# Altium PCB Driver.PcbDoc (continued)
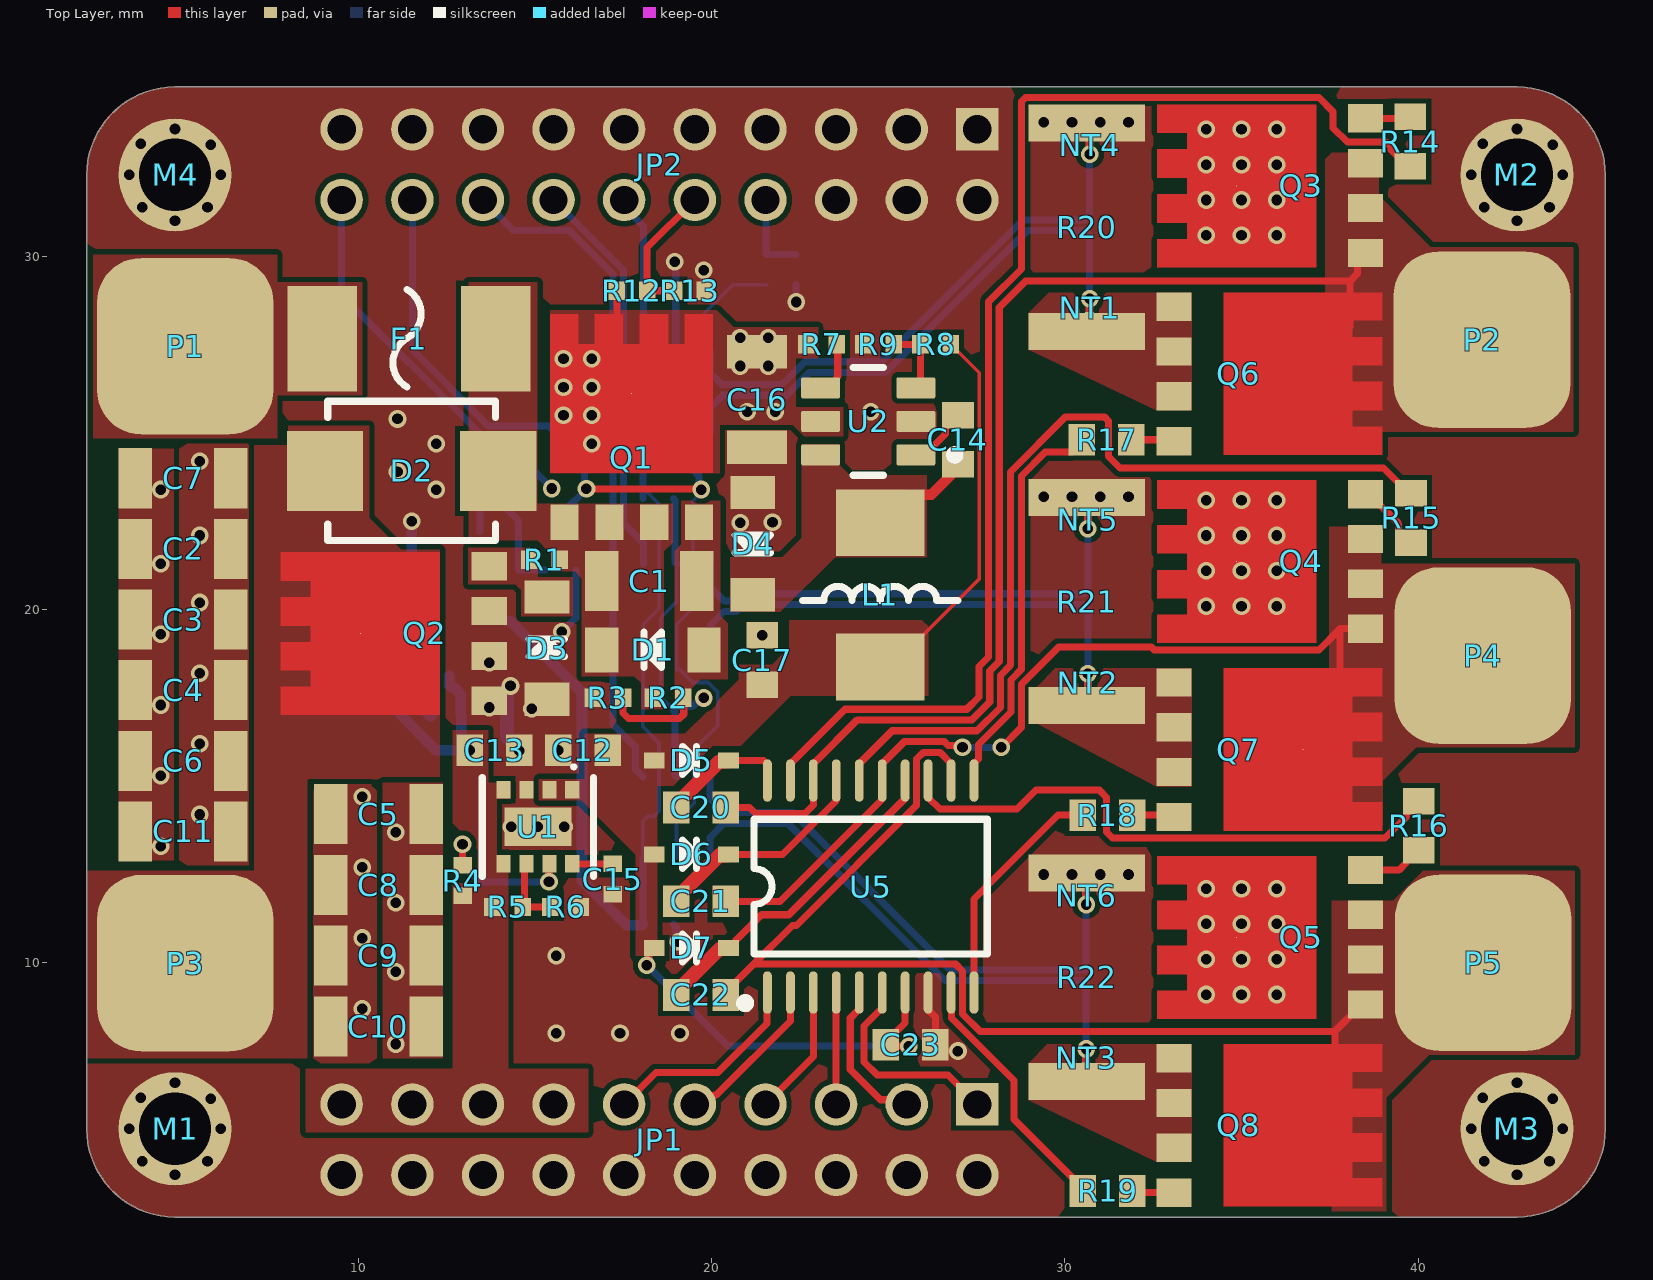
[diagram p0: Top Layer view]
## Components (designator, comment, footprint, x,y, rotation, side; value= is the part's Value field where it differs from the comment) (continued)
Q6 "CJAC110SN10A" PDFNWB5×6-8L 33.09,28.58 r270 top
Q7 "CJAC110SN10A" PDFNWB5×6-8L 33.09,17.94 r270 top
Q8 "CJAC110SN10A" PDFNWB5×6-8L 33.09,7.3 r270 top
R1 "100k" RESISTOR_0402_SMD 14.83,21.41 r0 top
R2 "150k" RESISTOR_0402_SMD 19.19,17.51 r180 top
R3 "300k" RESISTOR_0402_SMD 16.63,17.51 r0 top
R4 "100k" RESISTOR_0402_SMD 12.95,12.76 r270 top
R5 "523k" RESISTOR_0402_SMD 14.65,11.58 r180 top
R6 "100k" RESISTOR_0402_SMD 16.29,11.58 r180 top
R7 "100k" RESISTOR_0402_SMD 23.54,27.51 r180 top
R8 "120k" RESISTOR_0402_SMD 25.91,27.51 r0 top
R9 "10k" RESISTOR_0402_SMD 25.15,27.51 r180 top
R10 "10k" RESISTOR_0402_SMD 13.67,21.115 r0 bottom
R11 "10k" RESISTOR_0402_SMD 15.29,21.12 r0 bottom
R12 "150k" RESISTOR_0402_SMD 18.17,29.03 r180 top
R13 "10k" RESISTOR_0402_SMD 19.8,29.03 r180 top
R14 "4.7R" Resistor_0603_SMD 39.78,33.95 r270 top
R15 "4.7R" Resistor_0603_SMD 39.8,21.9 r90 top
R16 "4.7R" Resistor_0603_SMD 40.02,13.18 r90 top
R17 "4.7R" Resistor_0603_SMD 31.88,24.81 r180 top
R18 "4.7R" Resistor_0603_SMD 31.9,14.18 r180 top
R19 "4.7R" Resistor_0603_SMD 31.91,3.54 r180 top
R20 "5m" RESISTOR_2512_SMD 30.62,33.78 r270 top
R21 "5m" RESISTOR_2512_SMD 30.62,23.18 r270 top
R22 "5m" RESISTOR_2512_SMD 30.62,12.54 r270 top
R23 "10K" RESISTOR_0402_SMD 21.55,30.06 r270 bottom
R24 "10K" RESISTOR_0402_SMD 22.38,29.2 r90 bottom
U1 "TPS82130SILT" SIL0008D_V 15.075,13.85 r270 top
U2 "LV2862XLVDDCR" FP-DDC0006A-MFG 24.43,25.33 r180 top
U3 "SPX3819" SOT23-5L 11.613,19.533 r180 bottom
U4 "LM321MFX" DBV0005A_L 14.9,23.33 r270 bottom
U5 "FD6288T" TSSOP20_L 24.5,12.16 r90 top
U6 "INA181A1IDBVR" FP-DBV0006A-IPC_A 19.01,26.17 r270 bottom
U7 "INA181A1IDBVR" FP-DBV0006A-IPC_A 19.01,20.14 r270 bottom
U8 "INA181A1IDBVR" FP-DBV0006A-IPC_A 19,14.11 r270 bottom

## Footprints (in the part's own frame and the unit in brackets; to place one, negate y for a bottom-side part, rotate by r counter-clockwise, add the part's x,y. Pads: shape width x height; smd on the part's side, far side on the other; paste and mask are expansions set on the pad)
CAPACITOR_0402_SMD [mm]
  rect 0.47x0.52 smd: 1(0,0) 2(0.86,0)
  body extent -0.17,-0.26 1.02,0.26, height 0.51
CAPACITOR_0603_SMD [mm]
  rect 0.75x0.9 smd: 1(0,0) 2(1.4,0)
  body extent -0.23,-0.41 1.63,0.41, height 0.81
Capacitor_0603_SMD [mm]
  rect 0.75x0.9 smd: 1(0,0) 2(1.4,0)
  body extent -0.23,-0.41 1.63,0.41, height 0.81
CAPACITOR_1206_SMD [mm]
  rect 0.95x1.7 smd: 1(0,0) 2(2.7,0)
  body extent -0.4,-0.81 3.1,0.81, height 1.61
DBV0005A_L [mm] "SOT23, 5-Leads, Body 3.05x1.75mm, Pitch 0.95mm, IPC High Density"
  rrect18% 0.8x0.55 smd: 1(-1.275,0.95) 2(-1.275,0) 3(-1.275,-0.95) 4(1.275,-0.95) 5(1.275,0.95)
  silkscreen extent -1.4,-1.55 0.5,1.9, body extent -1.42,-1.46 1.42,1.46, height 1.08
FP-DBV0006A-IPC_A [mm]
  rect 1.805x0.61 smd paste+0 mask+0: 1(-1.15,0.95)
  rrect100% 1.805x0.61 smd paste+0 mask+0: 2(-1.15,0) 3(-1.15,-0.95) 4(1.15,-0.95) 5(1.15,0) 6(1.15,0.95)
  silkscreen extent -2.73,-1.7 1.4,1.7, body extent -1.4,-1.45 1.4,1.45, height 1.45
FP-DDC0006A-MFG [mm]
  rrect17% 1.1x0.6 smd paste+0 mask+0: 1(-1.35,0.95) 2(-1.35,0) 3(-1.35,-0.95) 4(1.35,-0.95) 5(1.35,0) 6(1.35,0.95)
  silkscreen extent -2.58,-1.53 0.42,1.53, body extent -2,-1.63 2,1.63, height 0.25
FP-SMBJ-CA-MFG [mm]
  rect 2.16x2.26 smd paste+0 mask+0: 1(-2.45,0) 2(2.45,0)
  silkscreen extent -2.37,-1.97 2.37,1.97, body extent -3.63,-2.07 3.63,2.07, height 0.25
"FU 1808" [mm]
  rect 1.96x3 smd: 1(0,0) 2(4.91,0)
  silkscreen extent 2,-1.37 2.8,1.4, body extent -0.6,-1.35 5.5,1.35, height 2.69
HDR2.0-LI-2X10P [mm]
  rect 1.2x1.2 hole 0.8: 1(0,0)
  round 1.2 hole 0.8: 2(0,2) 3(2,0) 4(2,2) 5(4,0) 6(4,2) 7(6,0) 8(6,2) 9(8,0) 10(8,2) 11(10,0) 12(10,2) 13(12,0) 14(12,2) 15(14,0) 16(14,2) 17(16,0) 18(16,2) 19(18,0) 20(18,2)
  body extent -1,-1 19,3, height 6
"M2 HOLE" [mm]
  round 3.2 hole 2.05: 1(0,0)
MOLDED_INDUCTOR_0530 [mm]
  rect 1.895x2.5 smd: 1(0,0) 2(4.09,0)
  silkscreen extent 1.8,-2.2 2.2,2.2, body extent -0.85,-2.6 4.95,2.6, height 2.8
"NET TIE 10MIL" [mil]
  rect 10x10 smd paste-99999 mask+4: 1(0,0) 2(20,0)
  Top Layer region: 4,-4.5 16,-4.5 16,4.5 4,4.5
PDFNWB5×6-8L [mm]
  round 0.025 smd: D(1.9,3.65)
  rect 0.8x1 smd: G(3.81,0) S(0,0) S(1.27,0) S(2.54,0)
  Top Layer region: -0.4,1.4 4.2,1.4 4.2,5.9 3.4,5.9 3.4,5.05 2.93,5.05 2.93,5.9 2.13,5.9 2.13,5.05 1.66,5.05 1.66,5.9 0.86,5.9 0.86,5.05 0.39,5.05 0.39,5.9 -0.4,5.9
  body extent -0.6,-0.35 4.4,5.65, height 1.02
RESISTOR_0402_SMD [mm]
  rect 0.47x0.52 smd: 1(0,0) 2(0.86,0)
  body extent -0.07,-0.26 0.93,0.26, height 0.36
Resistor_0603_SMD [mm]
  rect 0.75x0.9 smd: 1(0,0) 2(1.4,0)
  body extent -0.11,-0.41 1.49,0.41, height 0.46
RESISTOR_2512_SMD [mm]
  rect 1.05x3.3 smd: 1(0,0) 2(5.9,0)
  body extent -0.25,-1.61 6.15,1.61, height 0.61
SIL0008D_V [mm] "PSON, 8-Leads, Body 3.00x2.80mm, Pitch 0.65mm, Thermal Pad 1.90x1.1mm"
  rect 0.5x0.4 smd: 1(-1.05,0.975) 2(-1.05,0.325) 3(-1.05,-0.325) 4(-1.05,-0.975) 5(1.05,-0.975) 6(1.05,-0.325) 7(1.05,0.325) 8(1.05,0.975)
  rect 1.1x1.9 smd: 9(0,0)
  silkscreen extent -1.75,-1.57 1.4,1.58, body extent -1.4,-1.5 1.4,1.5, height 1.53
SOD-123FL [mm]
  rect 0.94x1.27 smd: 1(0,0) 2(2.896,0)
  silkscreen extent 1.21,-0.5 1.71,0.5, body extent -0.34,-0.82 3.24,0.82, height 0.94
SOD-323 [mm]
  rect 0.59x0.45 smd: 1(0,0) 2(2.1,0)
  silkscreen extent 0.8,-0.4 1.2,0.4, body extent -0.25,-0.67 2.35,0.67, height 1.1
SOLDERPAD [mm]
  rrect50% 5x5 smd paste-2539.97: 1(0,0)
SOT23-5L [mm] "3x1.6x1.1mm(长宽高)"
  rect 0.45x1 smd: 1(-0.95,-1.4) 2(0,-1.4) 3(0.95,-1.4) 4(0.95,1.4) 5(-0.95,1.4)
  silkscreen extent -1.6,-1.73 1.5,0.66, body extent -1.5,-1.4 1.5,1.4, height 1.15
TANTALUM_CAPACITOR_0805_SMD [mm]
  rect 1.3x1.5 smd: 1(0,0) 2(1.9,0)
  silkscreen extent -0.85,-0.7 -0.85,0.7, body extent -0.04,-0.65 1.96,0.65, height 1.2
TSSOP20_L [mm] "6.5*6.4*1（长宽高）"
  oval 1.2x0.25 smd: 1(-3,2.925) 2(-3,2.275) 3(-3,1.625) 4(-3,0.975) 5(-3,0.325) 6(-3,-0.325) 7(-3,-0.975) 8(-3,-1.625) 9(-3,-2.275) 10(-3,-2.925) 11(3,-2.925) 12(3,-2.275) 13(3,-1.625) 14(3,-0.975) 15(3,-0.325) 16(3,0.325) 17(3,0.975) 18(3,1.625) 19(3,2.275) 20(3,2.925)
  silkscreen extent -3.43,-3.3 1.91,3.69, body extent -3.2,-3.25 3.2,3.25, height 1.03

## Part data
C1 C2 C3 C4 C5 C6 C7 C8 C9 C10 C11 C12 C13 C14 C15 C16 C17 C18 C19 C20 C21 C22 C23 C24 C25 C26: library part C, "无极性贴片电容", BOM名称=无极性贴片电容, 学习资源=www.ooocke.com, 版权归属=源创客
D1 D3: library part 稳压二极管, "Zener Diode", 联系卖家，免费查找封装=唯一出售店铺网址https://shop463601444.taobao.com
D2: library part CMP-08607-000060-1, "TVS DIODE 60V DO214AA", Breakdown Voltage=53.3V, Clamping Voltage=77.4V, Manufacturer="Littelfuse Inc", Manufacturer Part Number=SMBJ48CA, Max Junction Temp=+150°C, Package=SMBJ-CA, Peak Pulse Current=7.8A, Peak Pulse Power=600W, Reverse Standoff Voltage=48V, Temperature="-65°C to +150°C", Temperature Range Low=-65°C, Automotive=No, Category=Diode, ComponentLink2Description=Datasheet, ComponentLink2URL=https://www.littelfuse.com/~/media/electronics/datasheets/tvs_diodes/littelfuse_tvs_diode_smbj_datasheet.pdf.pdf, Device Class L1="Circuit Protection", Device Class L2="TVS Diodes", Device Class L3=unset, Digikey Description="TVS DIODE 48V 77.4V DO214AA", Direction=Bidirectional, Height=2.61mm, Lead Free=Yes, Mouser Description="In a Pack of 25, Littelfuse SMBJ48CA, Bi-Directional TVS Diode, 600W, 2-Pin DO-214AA", Number Of Channels=1, Octopart=https://octopart.com/smbj48ca-littelfuse-350748, RoHS=TRUE, Temperature Range High=+150°C
D4 D5 D6 D7: library part SS14, "肖特基二极管", BOM名称=肖特基二极管, 属性=40V/1A, 联系卖家，免费查找封装=唯一出售店铺网址https://shop463601444.taobao.com
E1: library part C-CD, "贴片钽电容", BOM名称=贴片钽电容, 学习资源=www.ooocke.com, 版权归属=源创客
F1: library part FU, "贴片保险丝", BOM名称=贴片保险丝, 学习资源=www.ooocke.com, 版权归属=源创客
JP1 JP2: library part "Header 10X2", "10*2P接插件", BOM名称=10*2P接插件, 封装库来自淘宝卖家 ID：黄晶宝石=其他店铺购入均为盗版假冒封装库, 联系卖家，免费查找封装=唯一出售店铺网址https://shop463601444.taobao.com
L1: library part L-CD, "贴片功率电感", BOM名称=功率电感, 学习资源=www.ooocke.com, 版权归属=源创客
M1 M2 M3 M4: library part M2_hole
P1 P2 P3 P4 P5: "焊盘"
Q1: "-70A 7.6mΩ@-10V P-Channel Power MOSFET"
Q2 Q3 Q4 Q5 Q6 Q7 Q8: "110A 3.4mΩ@10V N-Channel Power MOSFET"
R1 R2 R3 R4 R5 R6 R7 R8 R9 R10 R11 R12 R13 R14 R15 R16 R17 R18 R19 R20 R21 R22 R23: library part R, "贴片电阻"
  R1 R2 R3 R4 R6 R7 R8 R9 R10 R11 R12 R13 R14 R15 R16 R17 R18 R19 R20 R21 R22: BOM名称=贴片电阻, 学习资源=www.ooocke.com, 版权归属=源创客
  R23: BOM名称=贴片电阻, 联系卖家，免费查找封装=唯一出售店铺网址https://shop463601444.taobao.com
R24: library part RT, "热敏电阻", BOM名称=压敏电阻, 联系卖家，免费查找封装=唯一出售店铺网址https://shop463601444.taobao.com
U1: library part CMP-2000-07569-1, "Step-Down Converter MicroSiP(TM) Module with Integrated Inductor, 3 A, 3 to 17 V, -40 to 125 degC, 8-Pin uSiP (SIL), Tape and Reel", Case/Package=SMD/SMT, Manufacturer="Texas Instruments", Max Input Voltage=17V, Max Operating Temperature=125degC, Max Output Current=3A, Max Output Voltage=5V, Min Input Voltage=3V, Min Operating Temperature=-40degC, Min Output Voltage=900mV, Package Description="8-Pin Single In-line Package, Body 3 x 2.8 mm, Pitch 0.65 mm", Package Reference=SIL0008D, Quiescent Current=20uA, Switching Frequency=2MHz, Datasheet URL=http://www.ti.com/lit/ds/symlink/tps82130.pdf, Datasheet Version="Rev. C, 01/2017", Height=0.06inch, Lead Free=LeadFree, Length=0.12inch, Manufacturer URL=http://www.ti.com/, Mount=SurfaceMount, Mounting Technology=SurfaceMount, Number of Outputs=1, Number of Pins=8, Output Current=3A, Output Voltage=5V, Packaging=CutTape, REACH SVHC=NoSVHC, RoHSCompliant=True, Voltage - Output 1=5V, Width=0.11inch
U2: library part CMP-04918-000583-1, "Switching Voltage Regulators 4.5-V to 60-V, 600-mA buck converter in ultra-small SOT23 package 6-SOT-23-THIN -40 to 125"
U3: "500mA Low-Noise LDO Voltage Regulator"
U4: library part CMP-0055-01337-3, "Low Power Single Op Amp, 5-pin SOT-23", Manufacturer="Texas Instruments", Package Reference=DBV0005A, PackageTopMarking=A63A*XTT, PowerWise=N, ComponentLink1Description="Datasheet URL", ComponentLink1URL=http://www.ti.com/general/docs/lit/getliterature.tsp?genericPartNumber=LM321&fileType=pdf, CompType=Amplifiers, PackageDescription="Molded SOT-23, .115 x .063 x .040 in Body, 5 Lead, .0375 in Pitch", PinCount=5, RoHS=N
U5: "三相250V栅极驱动器"
U6 U7 U8: library part CMP-04895-000055-1, "IC CURR SENSE 1 CIRCUIT SOT23-6", Ambient Temperature Range High=+125°C, Ambient Temperature Range Low=-40°C, Input Bias Current=75uA, Input Offset Voltage=0.1mV, Manufacturer="Texas Instruments", Max Junction Temp=+150°C, Max Supply Voltage=5.5V, Min Supply Voltage=2.7V, Nominal Supply Current=195uA, Output Current Per Channel=8mA, Package=DBV0006A, Temperature="-40°C to +125°C", Voltage Gain=0.02V/mV, Automotive=No, Bandwidth=350kHz, Category=IC, ComponentLink2Description=Datasheet, ComponentLink2URL=http://www.ti.com/lit/ds/symlink/ina181.pdf, Device Class L1="Integrated Circuits (ICs)", Device Class L2="Linear ICs", Device Class L3=Instrumentation, Digikey Description="IC CURR SENSE 1 CIRCUIT SOT23-6", Height=1.45mm, Lead Free=Yes, Manufacturer Part Number=INA181A1IDBVR, Mouser Description="26V bi-directional current sense amplifier for cost-sensitive systems 6-SOT-23 -40 to 125", Number Of Channels=1, Octopart=https://octopart.com/ina181a1idbvr-texas+instruments-81856289, RoHS=TRUE, Standoff Height=0mm, Temperature Range High=+125°C, Temperature Range Low=-40°C

## Via types
v1: diameter 0.5, hole 0.3, Top Layer to Bottom Layer, tented both sides, 126 vias
v2: diameter 0.3, hole 0.3, Top Layer to Bottom Layer, 32 vias

## Nets (pads, with @x,y where several pads share a name; then routed paths per layer and width w, separated by ;. In a path a pad name is that pad's centre, name@x,y a point inside that pad or via, vN(x,y) a via of type N, cw(c..) or ccw(c..) an arc to the next point about the centre after c; other vN are vias at no path point)
5V: C13.2 C18.2 JP1.13 JP1.15 JP1.17 JP1.19 R4.2 R5.2 U1.4 U1.5 U3.1 U3.3 | length 6.1
  Bottom Layer w0.3: U3.3 10.663,17.858 11.188,17.333 11.188,17.023 12.191,16.02 v1(13.15,16.02) 13.15,16.074 12.904,16.32 12.904,17.016 C18.2 12.89,17.607 12.714,17.783 12.638,17.783 12.563,17.858 U3.1
10V: C12.1 C17.1 C23.2 D5.1 D6.1 D7.1 L1.2 R8.2 U1.1 U1.2 U5.7 | length 22.2
  Top Layer w0.1: L1.2 25.072,18.37 25.97,19.268 27.57,20.868 27.57,26.71 26.98,27.3 26.955,27.3 26.77,27.485 R8.2
  Top Layer w0.2: v1(18.16,9.93) 18.217,9.987 18.217,10.295 18.342,10.42 D7.1 ; U5.7 25.47,9.155 25.47,8.295 24.93,7.755 C23.2 24.97,7.64 v1(25.58,7.64)
  Bottom Layer w0.2: v1(18.16,9.93) 20.45,7.64 v1(25.58,7.64)
ADC_IA: JP2.12 U6.1 | length 4.5
  Bottom Layer w0.2: JP2.12 17.52,31.407 18.06,30.867 U6.1
ADC_IB: JP2.14 U7.1 | length 11.4
  Bottom Layer w0.2: JP2.14 17.5,29.62 17.5,22.448 18.06,21.888 U7.1
ADC_IC: JP2.16 U8.1 | length 19.1
  Bottom Layer w0.2: JP2.16 14.387,30.733 15.963,30.733 17.2,29.496 17.2,16.75 17.845,16.105 17.845,15.465 U8.1
ADC_TEMP: JP2.8 R23.1 R24.2 | length 2.4
  Bottom Layer w0.2: JP2.8 21.535,31.585 21.535,30.075 R23.1 R24.2
ADC_VIN: JP2.10 R12.1 R13.2 | length 3.9
  Top Layer w0.2: R13.2 R12.1 18.17,30.25 JP2.10
GND: D2.1 P3.1 Q2.D
HOA: R14.2 U5.19 | length 36.1
  Top Layer w0.2: U5.19 22.225,15.635 23.77,17.18 27.22,17.18 27.57,17.53 27.57,18.385 27.84,18.655 27.84,28.72 28.77,29.65 28.77,34.388 28.887,34.505 37.189,34.505 37.595,34.099 37.595,33.643 37.997,33.241 39.093,33.241 39.234,33.1 39.234,33.021 39.705,32.55 R14.2
HOB: R15.2 U5.16 | length 25.4
  Top Layer w0.2: U5.16 24.175,15.635 25.11,16.57 27.51,16.57 28.17,17.23 28.17,18.136 28.46,18.426 28.46,23.902 30.018,25.46 31.113,25.46 31.23,25.343 31.23,24.34 31.56,24.01 39.015,24.01 39.725,23.3 R15.2
HOC: R16.2 U5.13 | length 16.4
  Top Layer w0.2: U5.13 26.125,14.685 26.46,14.35 28.64,14.35 29.18,14.89 30.972,14.89 31.18,14.682 31.18,13.7 31.35,13.53 39.063,13.53 39.67,14.137 39.67,14.305 39.945,14.58 R16.2
IA_N: NT4.1 U6.3 | length 15.2
  Bottom Layer w0.2: U6.3 19.96,26.7 20.29,26.37 21.99,26.37 22.64,27.02 24.8,27.02 28.81,31.03 30.583,31.03 30.7,31.147 v1(30.7,32.892)
IA_P: NT1.1 U6.4 | length 15.4
  Bottom Layer w0.2: U6.4 19.96,25.728 20.3,26.068 20.3,26.07 22.12,26.07 22.77,26.72 24.924,26.72 28.934,30.73 30.583,30.73 30.7,30.613 v1(30.7,28.8)
IB_N: NT5.1 U7.3 | length 13.4
  Bottom Layer w0.2: U7.3 19.96,20.64 20.35,20.25 20.576,20.25 20.776,20.45 30.533,20.45 30.65,20.567 v1(30.65,22.292)
IB_P: NT2.1 U7.4 | length 13.4
  Bottom Layer w0.2: U7.4 19.96,19.56 20.35,19.95 20.7,19.95 20.9,20.15 30.533,20.15 30.65,20.033 v1(30.65,18.188)
IC_N: NT6.1 U8.3 | length 15.1
  Bottom Layer w0.2: U8.3 19.95,14.65 20.35,14.25 22.3,14.25 26.75,9.8 30.6,9.8 v1(30.6,11.65)
IC_P: NT3.1 U8.4 | length 15.2
  Bottom Layer w0.2: U8.4 19.95,13.55 20.35,13.95 22.15,13.95 26.6,9.5 30.6,9.5 v1(30.6,7.558)
LOA: R17.2 U5.11 | length 11.4
  Top Layer w0.2: U5.11 27.425,15.649 27.55,15.774 27.55,16.176 28.47,17.096 28.47,18.012 28.77,18.312 28.77,23.788 29.442,24.46 30.205,24.46 30.48,24.735 R17.2
LOB: R18.2 U5.10 | length 6.7
  Top Layer w0.2: U5.10 27.425,11.803 29.802,14.18 R18.2
LOC: R19.2 U5.9 | length 7.2
  Top Layer w0.2: U5.9 26.785,9.15 26.785,8.442 28.556,6.67 28.556,5.569 30.51,3.615 R19.2
NetC1_1: C1.1 D1.1 Q1.G R2.1 R3.2 | length 2.7
  Top Layer w0.2: R3.2 17.49,17.07 17.64,16.92 19.088,16.92 19.205,17.037 19.205,17.495 R2.1
NetC1_2: C1.2 D1.2 D2.2 F1.2 Q1.S R1.2 R2.2
NetC14_1: C14.1 U2.1 | length 1.8
  Top Layer w0.2: U2.1 26.03,24.38 26.62,24.97 26.62,25.235 26.895,25.51 C14.1
NetC14_2: C14.2 D4.2 L1.1 U2.6 | length 3.1
  Top Layer w0.3: L1.1 25.568,23.258 26.213,23.258 27.065,24.11 C14.2@27.14,24.11
NetC15_2: C15.2 U1.8 | length 1.2
  Top Layer w0.2: U1.8 C15.2
NetC19_2: C19.2 U3.4 | length 1.3
  Bottom Layer w0.3: C19.2 10.588,21.19 10.663,21.115 U3.4
NetC20_2: C20.2 D5.2 U5.20 | length 3.7
  Top Layer w0.2: D5.2 21.466,15.73 21.575,15.621 U5.20
  Top Layer w0.4: C20.2 18.99,14.475 20.22,15.705 20.445,15.705 D5.2
NetC21_2: C21.2 D6.2 U5.17 | length 6.3
  Top Layer w0.2: D6.2 22,13.07 23.515,14.585 23.515,15.15 U5.17
  Top Layer w0.4: C21.2 18.99,11.815 20.22,13.045 20.445,13.045 D6.2
NetC22_2: C22.2 D7.2 U5.14 | length 9.4
  Top Layer w0.2: D7.2 20.54,10.42 20.665,10.545 20.665,10.615 21.41,11.36 22.18,11.36 25.45,14.63 25.45,14.646 25.475,14.671 U5.14
  Top Layer w0.4: C22.2 18.99,9.165 20.22,10.395 20.445,10.395 D7.2
NetD3_2: D3.2 Q2.G R1.1
NetNT1_2: NT1.2 Q6.S R20.2
NetNT2_2: NT2.2 Q7.S R21.2
NetNT3_2: NT3.2 Q8.S R22.2
NetQ3_G: Q3.G R14.1 | length 1.3
  Top Layer w0.2: Q3.G 39.741,33.911 R14.1
NetQ4_G: Q4.G R15.1 | length 2
  Top Layer w0.2: Q4.G 38.61,23.27 39.45,22.43 39.45,22.175 39.725,21.9 R15.1
NetQ5_G: Q5.G R16.1 | length 1.8
  Top Layer w0.2: Q5.G 39.465,12.63 39.67,12.835 39.67,12.905 39.945,13.18 R16.1@40.015,13.18
NetQ6_G: Q6.G R17.1 | length 1.2
  Top Layer w0.2: R17.1 33.05,24.81 Q6.G
NetQ7_G: Q7.G R18.1 | length 1.2
  Top Layer w0.2: R18.1 33.04,14.18 Q7.G
NetQ8_G: Q8.G R19.1 | length 1.2
  Top Layer w0.2: R19.1 31.96,3.49 Q8.G
NetR4_1: R4.1 U1.7 | length 4.4
  Top Layer w0.2: v1(12.94,13.36) 12.945,13.355 12.945,12.765 R4.1 ; v1(15.39,12.29) 15.395,12.295 15.395,12.795 U1.7
  Bottom Layer w0.2: v1(12.94,13.36) 12.94,12.77 13.42,12.29 v1(15.39,12.29)
NetR5_1: R5.1 R6.2 U1.6 | length 2
  Top Layer w0.2: U1.6 14.7,12.75 14.7,11.63 R5.1 R6.2
NetR7_1: R7.1 U2.4 | length 1.6
  Top Layer w0.2: U2.4 23.33,26.28 23.53,26.48 23.53,26.561 23.567,26.597 23.567,27.483 R7.1
NetR8_1: R8.1 R9.1 U2.3 | length 2
  Top Layer w0.2: R9.1 R8.1 25.91,26.41 U2.3
NetR10_2: R10.2 R11.1 U4.1 | length 4.5
  Bottom Layer w0.2: U4.1 13.95,23.1 14.53,22.52 R10.2 14.533,21.117 15.287,21.117 R11.1
PGND: C2.1 C3.1 C4.1 C5.1 C6.1 C7.1 C8.1 C9.1 C10.1 C11.1 C12.2 C13.1 C15.1 C16.2 C17.2 C18.1 C19.1 C23.1 C24.1 C25.1 C26.1 D3.1 D4.1 E1.2 JP1.2 JP1.4 JP1.6 JP1.8 JP1.10 JP1.12 JP1.14 JP1.16 JP1.18 JP1.20 JP2.1 JP2.2 JP2.3 JP2.4 JP2.5 JP2.6 JP2.7 JP2.9 JP2.11 JP2.13 JP2.15 JP2.17 JP2.19 M1.1 M2.1 M3.1 M4.1 NT4.2 NT5.2 NT6.2 Q2.S R3.1 R6.1 R9.2 R11.2 R13.1 R20.1 R21.1 R22.1 R24.1 U1.3 U1.9 U2.2 U3.2 U4.2 U5.8 U6.2 U7.2 U8.2 | length 29
  Top Layer w0.2: v1(19.77,29.61) 19.785,29.595 19.785,29.045 R13.1 ; U5.8 26.125,8.671 26.33,8.466 C23.1 26.51,7.5 v1(26.97,7.5)
  Bottom Layer w0.1: C25.1 18.91,17.175 18.725,17.36 18.715,17.36 18.555,17.52 18.555,19.775 19.01,20.23 U7.2
  Bottom Layer w0.2: U4.2 14.9,24 v1(15.47,23.43) ; v1(15.75,19.37) 16.15,19.77 R11.2 ; C26.1 18.993,11.017 18.993,10.657 v1(19.05,10.6) ; C24.1 18.96,23.1 18.96,21.34 U7.2 ; v1(18.95,29.85) 18.98,29.82 18.98,27.35 U6.2 ; U8.2 18.955,15.305 18.955,17.105 C25.1 19.011,17.251 19.445,17.251 19.694,17.5 v1(19.775,17.5) v1@19.8,17.5 ; R24.1 22.385,29.195 22.385,28.715 v1(22.39,28.71)
  Bottom Layer w0.3: C19.1 9.635,20.245 9.66,20.245 10.005,19.9 11.324,19.9 11.5,20.076 ; v1(11.5,22.5) 11.5,20.076 ; U3.2 11.613,19.864 11.5,19.977 11.5,20.076
  Bottom Layer w0.4: U3.2 11.638,18.108 11.638,17.447 12.03,17.055 C18.1 ; E1.2 14.2,16.377 14.55,16.027 v1(14.55,16)
  other v1: 15.6,8 17.4,8 19.1,8 10.1,8.7 15.6,10.2 10.1,10.7 29.4,12.5 30.2,12.5 31,12.5 31.8,12.5 10.1,12.7 14.325,13.85 15.075,13.85 15.825,13.85 5.5,14.2 10.1,14.7 15.65,16.02 5.5,16.2 14.9,17.19 13.701,17.229 14.301,17.839 5.5,18.2 13.7,18.5 21.43,19.27 5.5,20.2 5.5,22.1 20.81,22.46 21.72,22.47 29.4,23.2 30.2,23.2 31,23.2 31.8,23.2 12.2,23.4 11.1,23.9 5.5,24.2 12.2,24.7 11.1,25.4 24.5,25.6 29.4,33.8 30.2,33.8 31,33.8 31.8,33.8
  other v2: 4.8,4 42.8,4 3.87,4.38 5.72,4.38 41.87,4.38 43.72,4.38 3.5,5.3 6.1,5.3 41.5,5.3 44.1,5.3 5.81,6.15 43.81,6.15 3.83,6.18 41.83,6.18 4.8,6.6 42.8,6.6 4.8,31.01 42.8,31.01 3.87,31.39 5.72,31.39 41.87,31.39 43.72,31.39 3.5,32.31 6.1,32.31 41.5,32.31 44.1,32.31 5.81,33.16 43.81,33.16 3.83,33.19 41.83,33.19 4.8,33.61 42.8,33.61
PWM_AH: JP1.11 U5.1 | length 5.9
  Top Layer w0.2: JP1.11 18.42,6.89 20.17,6.89 21.565,8.285 21.565,9.15 U5.1
PWM_AL: JP1.5 U5.4 | length 3.2
  Top Layer w0.2: JP1.5 23.523,5.993 23.523,9.158 U5.4
PWM_BH: JP1.9 U5.2 | length 4.5
  Top Layer w0.2: JP1.9 19.791,5.99 20.057,6.256 20.126,6.256 22.225,8.355 U5.2
PWM_BL: JP1.3 U5.5 | length 4.3
  Top Layer w0.2: U5.5 24.159,9.144 24.159,8.669 23.92,8.43 23.92,6.98 24.779,6.121 25.389,6.121 JP1.3
PWM_CH: JP1.7 U5.3 | length 3.7
  Top Layer w0.2: JP1.7 22.875,7.345 U5.3
PWM_CL: JP1.1 U5.6 | length 5.9
  Top Layer w0.2: U5.6 24.825,8.699 24.802,8.675 24.775,8.675 24.31,8.21 24.31,7.192 24.684,6.819 26.691,6.819 JP1.1
VDDA: C24.2 C25.2 C26.2 E1.1 JP2.20 R10.1 R23.2 U3.5 U4.5 U6.6 U7.6 U8.6 | length 43.1
  Bottom Layer w0.1: U8.6 18.05,14.012 18.192,14.153 18.363,14.153 18.505,14.295 18.505,16.225 18.05,16.68 C25.2 18.06,17.16 U7.6 18.06,19.587 18.515,20.042 18.515,22.985 18.055,23.445 18.05,23.45 ; U6.6 18.06,25.617 18.587,26.145 19.075,26.145 19.465,26.534 19.465,28.066 20.598,29.2 R23.2
  Bottom Layer w0.2: JP2.20 9.52,28.9 13.433,24.987 13.433,22.213 13.43,22.21 ; C26.2 U8.6 ; C24.2 18.055,23.155 18.055,23.445 18.055,25.015 U6.6
  Bottom Layer w0.3: E1.1 14.3,19.67 16.325,17.645 16.325,12.325 17.59,11.06 18.01,11.06 C26.2
VDDA/2: JP2.18 U4.3 U4.4 U6.5 U7.5 U8.5 | length 30.1
  Top Layer w0.2: v1(16.45,23.42) 16.46,23.41 19.69,23.41 v1(19.7,23.4)
  Bottom Layer w0.1: U8.5 19,14.019 19.471,14.49 19.497,14.516 19.497,14.599 19.495,14.647 ; U7.5@19.01,18.29 U7.5@19.01,18.391 ; v1(19.7,23.4) 19.7,23.305 19.465,23.069 19.465,20.042 19.01,19.587 U7.5 U7.5@19.01,18.391 ; U7.5@19.01,18.391 19.465,17.936 19.904,17.936 20.175,17.666 20.175,16.726 19.495,16.046 19.495,14.662 ; 19.495,14.662 ccw(c19.95,14.662) 19.495,14.648 19.495,14.662
  Bottom Layer w0.2: JP2.18 11.52,27.35 13.665,25.205 15.375,25.205 15.85,24.73 15.85,24.48 16.393,23.937 16.393,23.477 v1(16.45,23.42) 15.85,22.82 U4.4 ; U6.5 19.01,24.422 19.643,23.789 19.643,23.457 v1(19.7,23.4)
VIN: F1.1 P1.1
VIN_LINK: C2.2 C3.2 C4.2 C5.2 C6.2 C7.2 C8.2 C9.2 C10.2 C11.2 C16.1 Q1.D Q3.D Q4.D Q5.D R7.2 R12.2 U2.5 | length 0.6
  Top Layer w0.2: 17.31,28.39 R12.2
  other v1: 11.05,7.7 34,9.1 35,9.1 36,9.1 11.05,9.75 34,10.1 35,10.1 36,10.1 34,11.1 35,11.1 36,11.1 11.05,11.7 34,12.1 35,12.1 36,12.1 4.4,13.3 11.05,13.7 4.4,15.3 4.4,17.3 4.4,19.3 34,20.1 35,20.1 36,20.1 34,21.1 35,21.1 36,21.1 4.4,21.3 34,22.1 35,22.1 36,22.1 34,23.1 35,23.1 36,23.1 4.4,23.4 16.6,24.7 15.8,25.5 16.6,25.5 21,25.6 21.8,25.6 15.8,26.3 16.6,26.3 20.8,26.9 21.6,26.9 15.8,27.1 16.6,27.1 20.8,27.7 21.6,27.7 34,30.6 35,30.6 36,30.6 34,31.6 35,31.6 36,31.6 34,32.6 35,32.6 36,32.6 34,33.6 35,33.6 36,33.6
VSA: C20.1 P2.1 Q3.S Q6.D U5.18 | length 35.2
  Top Layer w0.2: C20.1 21.07,14.4 21.24,14.23 22.64,14.23 22.88,14.47 22.88,15.155 U5.18 22.875,15.635 24.12,16.88 27.37,16.88 27.87,17.38 27.87,18.261 28.14,18.531 28.14,28.56 28.88,29.3 38.07,29.3 ; Q6.D 38.07,28.01 38.07,29.3 ; Q3.S@38.51,30.101 38.288,29.879 38.288,29.518 38.07,29.3
VSB: C21.1 P4.1 Q4.S Q7.D U5.15 | length 26.7
  Top Layer w0.2: C21.1 21.93,11.74 24.815,14.625 24.815,15.15 U5.15 24.825,15.635 25.45,16.26 26.584,16.26 26.687,16.157 27.043,16.157 v1(27.1,16.1) ; v1(28.2,16.1) 28.77,16.67 28.77,17.888 29.819,18.937 32.451,18.937 32.527,18.86 37.193,18.86 37.793,19.46 ; Q7.D 37.793,17.093 37.793,19.46 ; Q4.S@38.51,19.46 37.793,19.46
  Bottom Layer w0.2: v1(27.1,16.1) v1(28.2,16.1)
VSC: C22.1 P5.1 Q5.S Q8.D U5.12 | length 32.8
  Top Layer w0.2: C22.1 20.39,9.165 21.185,9.96 ; U5.12 26.775,15.645 26.46,15.96 25.99,15.96 25.8,15.77 25.8,14.46 22.4,11.06 22.285,11.06 21.185,9.96 ; Q8.D 37.65,6.31 37.65,8.06 ; Q5.S@38.51,8.82 38.41,8.82 37.65,8.06 ; 21.185,9.96 26.91,9.96 27.1,9.77 27.1,8.55 27.59,8.06 37.65,8.06

## Polygon pours and split planes (outlines as drawn)
PGND on Top Layer "Top Layer-PGND" (solid, remove dead copper, pour order 34): 2.3,5.3 ccw(c4.8,5.3) 4.8,2.8 42.8,2.8 ccw(c42.8,5.3) 45.3,5.3 45.3,32.3 ccw(c42.8,32.3) 42.8,34.8 4.8,34.8 ccw(c4.8,32.3) 2.3,32.3 2.3,32.31
5V on Top Layer "Top Layer-5V" (solid, remove dead copper, pour order 14): 12.66,12.25 12.66,11.34 14.24,11.34 14.24,13.05 13.91,13.05 13.91,14.65 14.29,14.65 14.3,14.66 14.3,15.1 13.67,15.1 13.67,16.57 13.68,16.58 12.66,16.58 12.66,13.19 12.67,13.18 13.37,13.18 13.37,12.25
PGND on Top Layer "Top Layer-PGND" (solid, remove dead copper, pour order 31): 8.75,15.05 10.35,15.05 10.35,7.35 8.75,7.35
PGND on Top Layer "Top Layer-PGND" (solid, remove dead copper, pour order 32): 6.85,24.55 5.15,24.55 5.15,12.85 6.85,12.85
GND on Top Layer "Top Layer-GND" (solid, remove dead copper, pour order 33): 8.55,15.2 12.3,15.2 12.3,21.7 11.2,21.7 10.3,22.6 10.3,25.2 8,25.2 8,24.65 7.05,24.65 7.05,12.6 2.3,12.6 2.3,7.3 8.55,7.3
NetNT2_2 on Top Layer "Top Layer-NetNT3_2" (solid, remove dead copper, pour order 22): 32.6,14.99 33.58,14.99 33.59,14.98 33.59,18.33 33.6,18.34 29.73,18.34 29.21,17.82 29.21,16.78 29.22,16.77
5V on Top Layer "Top Layer-5V" (solid, remove dead copper, pour order 30): 8.5,5.2 16.5,5.2 16.5,7 14.23,7 14.23,11.8 12.66,11.8 12.66,7 8.5,7
VIN_LINK on Top Layer "Top Layer-VIN_LINK" (solid, remove dead copper, pour order 29): 12.38,15.1 12.38,7.3 10.68,7.3 10.68,15.1
VIN_LINK on Top Layer "Top Layer-VIN_LINK" (solid, remove dead copper, pour order 28): 3.21,24.56 4.76,24.56 4.76,12.9 3.21,12.9
NetC1_1 on Top Layer "Top Layer-NetC1_1" (solid, remove dead copper, pour order 3): 19.13,23.09 20.24,23.09 20.24,19.82 20.45,19.61 20.45,18.03 19.68,18.03 19.4,17.75 19.4,17.266 18.95,17.266 18.95,21.67 19.13,21.85
10V on Top Layer "Top Layer-10V" (solid, remove dead copper, pour order 13): 22.2,18.93 22.2,19.7 22.96,19.7 22.965,19.695 26.13,19.705 26.13,17.56 22.24,17.56 20.82,16.14 20.03,16.14 18.91,15.02 18.45,15.02 18.45,10.2 17.84,10.2 17.84,13.06 16.3,14.6 15.1,14.6 15.1,15.2 16.4,15.2 16.4,16.48 19.23,16.48 20.77,18.02 20.77,18.44 21.71,18.44
VIN on Top Layer "Top Layer-VIN" (solid, remove dead copper, pour order 26): 2.49,30.05 2.49,24.86 7.69,24.86 7.69,26.07 10.1,26.07 10.1,29.27 7.69,29.27 7.69,30.05
NetNT1_2 on Top Layer "Top Layer-NetNT2_2" (solid, remove dead copper, pour order 23): 32.59,25.64 33.59,25.64 33.59,28.97 29.54,28.97 28.97,28.4 28.97,27.36
NetNT3_2 on Top Layer "Top Layer-NetNT4_2" (solid, remove dead copper, pour order 24): 32.59,4.36 33.59,4.36 33.59,7.69 29.5,7.69 28.97,7.16 28.97,6.11
VSC on Top Layer "Top Layer-VSC" (solid, remove dead copper, pour order 20): 37.56,11.76 39.3,11.76 40.14,12.6 44.44,12.6 44.44,7.4 40.32,7.4 39.1,6.18 39.1,2.97 37.56,2.97
VSB on Top Layer "Top Layer-VSB" (solid, remove dead copper, pour order 19): 38.95,22.35 38.95,21.3 44.43,21.3 44.43,16.1 39.95,16.1 39,15.15 39,13.86 37.5,13.86 37.49,13.85 37.49,22.35
VSA on Top Layer "Top Layer-VSA" (solid, remove dead copper, pour order 16): 37.37,32.94 38.89,32.94 38.89,31.73 40.36,30.26 44.38,30.26 44.4,30.24 44.4,25.04 37.39,25.04 37.38,25.05
PGND on Top Layer "Top Layer-PGND" (solid, remove dead copper, pour order 12): 23.98,27.86 24.61,27.86 24.61,26.33 25.18,25.76 26.33,25.76 26.33,25.04 23.98,25.04
NetC14_2 on Top Layer "Top Layer-NetC18_2" (solid, remove dead copper, pour order 11): 22.54,22.04 21.99,21.49 20.52,21.49 20.52,19.95 20.53,19.94 21.94,19.94 23.49,21.49 26.08,21.49 26.09,21.5 26.09,23.8 23.91,23.8 23.62,24.09 23.62,24.68 22.54,24.68
PGND on Top Layer "Top Layer-PGND" (solid, remove dead copper, pour order 10): 20.45,25.05 22.12,25.05 22.11,25.04 22.11,22.07 20.46,22.07 20.45,22.08
VIN_LINK on Top Layer "Top Layer-VIN_LINK" (solid, remove dead copper, pour order 6): 15.43,28.48 20.14,28.48 20.62,28 23.01,28 23.01,27.12 22.38,27.12 22.38,25.73 23.72,25.73 23.72,24.91 22.62,24.91 22.29,25.24 20.22,25.24 20.22,23.86 15.43,23.86
NetD3_2 on Top Layer "Top Layer-NetD3_2" (solid, remove dead copper, pour order 5): 16.06,19.81 16.06,20.924 16.058,20.926 16.052,20.92 15.07,20.92 15.07,21.76 13.112,21.758 13.11,21.76 13.11,20.72 14.44,20.72 14.61,20.55 14.61,19.81
NetC1_2 on Top Layer "Top Layer-NetC1_2" (solid, remove dead copper, pour order 2): 15.06,29.27 15.06,23 18.89,23 18.89,21.9 18.64,21.65 18.64,17.18 18,17.18 18,17.93 17.81,18.12 16.32,18.12 16.32,20.88 16.12,21.08 15.45,21.08 15.45,21.58 15.07,21.96 13.12,21.96 13.12,29.27
VDDA on Bottom Layer "Bottom Layer-VDDA" (solid, remove dead copper, pour order 27): 14.15,22.45 14.15,19 12.35,19 12.35,22.45
PGND on Bottom Layer "Bottom Layer-PGND" (solid, remove dead copper, pour order 25): 29,34.3 32.25,34.3 32.25,12 28.95,12
VIN_LINK on Bottom Layer "Bottom Layer-VIN_LINK" (solid, remove dead copper, pour order 15): 32.615,34.31 37.12,34.31 37.12,8.44 32.605,8.44
VIN_LINK on POWER (split plane): 42.995,34.282 43.189,34.254 43.378,34.206 43.562,34.14 43.739,34.057 43.907,33.956 44.064,33.84 44.208,33.708 44.34,33.564 44.456,33.407 44.557,33.239 44.64,33.062 44.706,32.878 44.754,32.689 44.782,32.495 44.791,32.316 44.79,32.3 44.79,5.3 44.791,5.284 44.782,5.105 44.754,4.911 44.706,4.722 44.64,4.538 44.557,4.361 44.456,4.193 44.34,4.036 44.208,3.892 44.064,3.76 43.907,3.644 43.739,3.543 43.562,3.46 43.378,3.394 43.189,3.346 42.995,3.318 42.816,3.309 42.8,3.31 4.8,3.31 4.784,3.309 4.605,3.318 4.411,3.346 4.222,3.394 4.038,3.46 3.861,3.543 3.693,3.644 3.536,3.76 3.392,3.892 3.26,4.036 3.144,4.193 3.043,4.361 2.96,4.538 2.894,4.722 2.846,4.911 2.818,5.105 2.809,5.284 2.81,5.3 2.81,32.309 2.81,32.31 2.809,32.323 2.818,32.495 2.846,32.689 2.894,32.878 2.96,33.062 3.043,33.239 3.144,33.407 3.26,33.564 3.392,33.708 3.536,33.84 3.693,33.956 3.861,34.057 4.038,34.14 4.222,34.206 4.411,34.254 4.605,34.282 4.784,34.291 4.8,34.29 42.8,34.29 42.816,34.291
PGND on GND (split plane): 42.995,34.282 43.189,34.254 43.378,34.206 43.562,34.14 43.739,34.057 43.907,33.956 44.064,33.84 44.208,33.708 44.34,33.564 44.456,33.407 44.557,33.239 44.64,33.062 44.706,32.878 44.754,32.689 44.782,32.495 44.791,32.316 44.79,32.3 44.79,5.3 44.791,5.284 44.782,5.105 44.754,4.911 44.706,4.722 44.64,4.538 44.557,4.361 44.456,4.193 44.34,4.036 44.208,3.892 44.064,3.76 43.907,3.644 43.739,3.543 43.562,3.46 43.378,3.394 43.189,3.346 42.995,3.318 42.816,3.309 42.8,3.31 4.8,3.31 4.784,3.309 4.605,3.318 4.411,3.346 4.222,3.394 4.038,3.46 3.861,3.543 3.693,3.644 3.536,3.76 3.392,3.892 3.26,4.036 3.144,4.193 3.043,4.361 2.96,4.538 2.894,4.722 2.846,4.911 2.818,5.105 2.809,5.284 2.81,5.3 2.81,32.309 2.81,32.31 2.809,32.323 2.818,32.495 2.846,32.689 2.894,32.878 2.96,33.062 3.043,33.239 3.144,33.407 3.26,33.564 3.392,33.708 3.536,33.84 3.693,33.956 3.861,34.057 4.038,34.14 4.222,34.206 4.411,34.254 4.605,34.282 4.784,34.291 4.8,34.29 42.8,34.29 42.816,34.291

## Silkscreen, mask and mechanical layers (free items; w line width, h text height)
Bottom Overlay:
  text "12~48V 10A" at 43.2,30.05 h2 r90
  text "FOC" at 40.64,29.29 h5 r90
  text "A" at 45.1,28.19 h2 r90
  text "VIN" at 2.808,25.308 h3 r270
  text "Ver 1.2" at 38.42,20.45 h2 r90
  text "Module" at 41.495,20.45 h4.5 r90
  text "B" at 45.1,18.96 h2 r90
  text "C" at 45.08,10.349 h2 r90
  text "GND" at 2.838,7.819 h3 r270
Mechanical 1:
  lines w0.2: 2.3,32.3 cw(c4.8,32.3) 4.8,34.8 ; 2.3,32.31 2.3,5.3 ccw(c4.8,5.3) 4.8,2.8 42.8,2.8 ccw(c42.8,5.3) 45.3,5.3 45.3,32.3 ccw(c42.8,32.3) 42.8,34.8 4.81,34.8
Drill Drawing:
  text ".Legend" at 49.154,18.687 h1

## Dimensions
9.52,3.99 to 4.8,2.8 on Mechanical 1
9.52,3.99 to 2.3,5.3 on Mechanical 1
9.52,33.6 to 4.81,34.8 on Mechanical 1
9.52,31.6 to 2.3,32.3 on Mechanical 1
4.8,32.31 to 2.3,32.31 on Mechanical 1
42.8,34.8 to 42.8,2.8 on Mechanical 1
2.3,32.3 to 45.3,32.3 on Mechanical 1